# Altium PCB MotionBoard.PcbDoc (part 1 of 3) (continued)
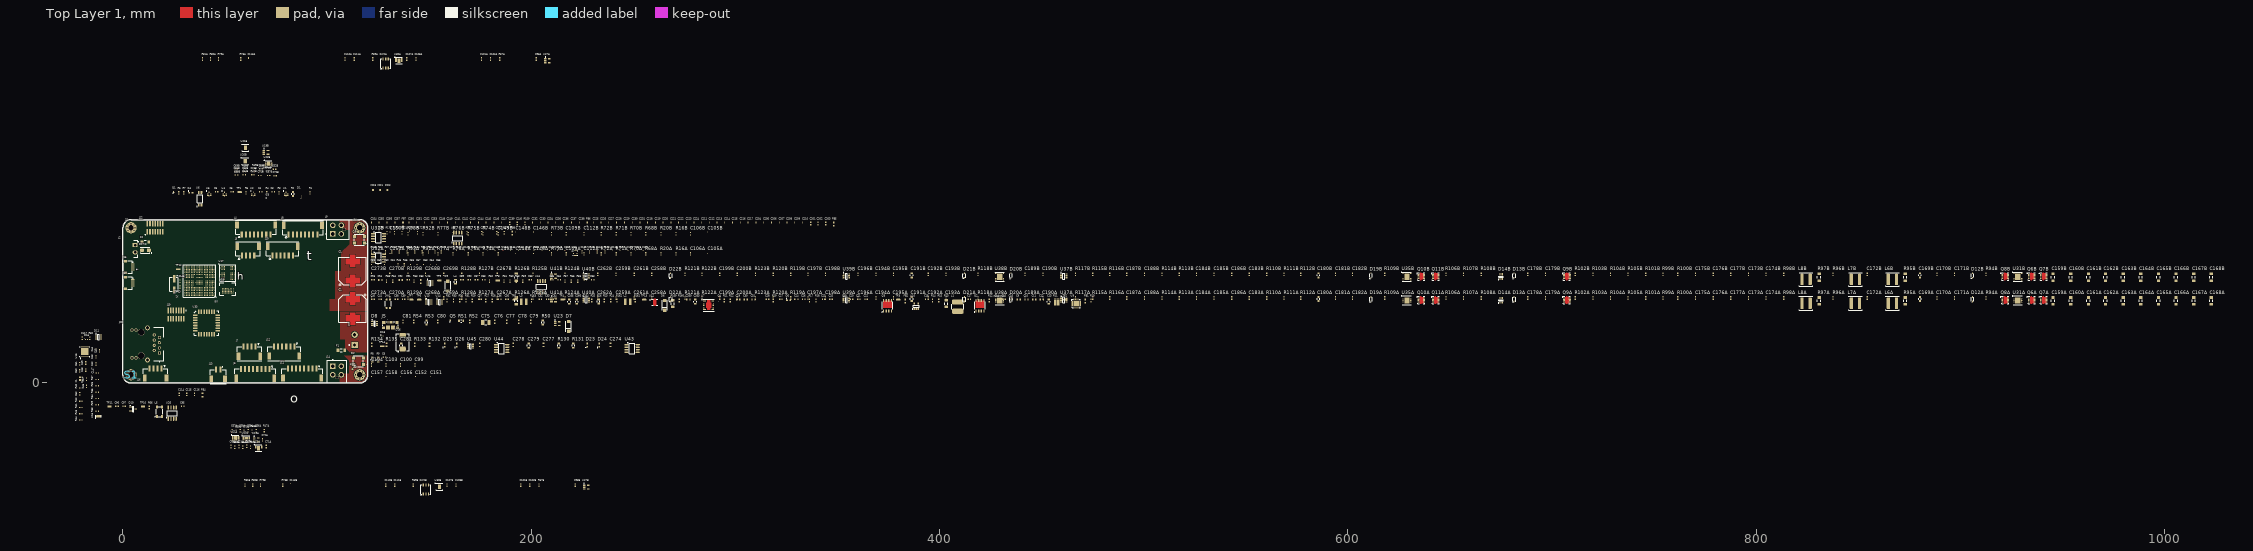
[diagram p0: Top Layer 1 view]
## Components (designator, comment, footprint, x,y, rotation, side; value= is the part's Value field where it differs from the comment) (continued)
C68B "100n" SM/C0402 55.655,101.8 r0 top (schematic designator C68)
C69A "330p" SM/C0402 55.4,-23.716 r90 top (schematic designator C69)
C69B "330p" SM/C0402 55.455,104.7 r0 top (schematic designator C69)
C70A "330p" SM/C0402 59.3,-23.716 r90 top (schematic designator C70)
C70B "330p" SM/C0402 74.543,101.487 r0 top (schematic designator C70)
C71A "100n" SM/C0402 70.2,-31.116 r90 top (schematic designator C71)
C71B "100n" SM/C0402 67.055,101.6 r0 top (schematic designator C71)
C72A "100n" SM/C0402 68.4,-27.9 r90 top (schematic designator C72)
C72B "100n" SM/C0402 67.755,103.7 r0 top (schematic designator C72)
C73A "330p" SM/C0402 52.9,-31.116 r90 top (schematic designator C73)
C73B "330p" SM/C0402 63.771,103.5 r0 top (schematic designator C73)
C74A "330p" SM/C0402 56.8,-31.116 r90 top (schematic designator C74)
C74B "330p" SM/C0402 70.755,103.8 r0 top (schematic designator C74)
C75 "100u" SM/C1210 177.8,29.7 r0 top
C76 "10u" SM/C0603 182.2,30 r90 top
C77 "10u" SM/C0603 188,30 r90 top
C78 "10u" SM/C0603 193.9,30 r90 top
C79 "10u" SM/C0603 199.7,30 r90 top
C80 "100n" SM/C0402 154.2,30.1 r90 top
C81 "100n" SM/C0402 137.2,30.1 r90 top
C82 "220p" SM/C0402 226.5,50.5 r0 top
C83 "4.7n" SM/C0402 230.099,50.5 r0 top
C84 "1n" SM/C0402 213.7,50.5 r0 top
C85 "1u" SM/C0402 210.1,50.5 r0 top
C86 "1n" SM/C0402 199.6,50.5 r0 top
C87 "220p" SM/C0402 173.2,50.5 r0 top
C88 "1n" SM/C0402 176.7,50.5 r0 top
C89 "100n" SM/C0402 166.1,50.5 r0 top
C90 "47n" SM/C0402 169.7,50.5 r0 top
C91 "150p" SM/C0402 139.8,50.5 r0 top
C92 "10u" SM/C0603 136.1,50.4 r0 top
C93 "2.2u" SM/C0402 122.5,50.5 r0 top
C94 "10u" SM/C0603 126.1,50.4 r0 top
C95 "100n" SM/C0402 29.284,-11.4 r0 top
C96 "22p" SM/C0402 -2.916,-11.4 r0 top
C97 "22p" SM/C0402 0.584,-11.4 r0 top
C98A "100n" SM/C0402 202.5,158.684 r90 top (schematic designator C98)
C98B "100n" SM/C0402 221.6,-50.016 r90 top (schematic designator C98)
C99 "10n" SM/C0402 143.1,8.8 r90 top
C100 "10n" SM/C0402 136,8.8 r90 top
C101A "330p" SM/C0402 175.6,158.684 r90 top (schematic designator C101)
C101B "330p" SM/C0402 194.9,-50.016 r90 top (schematic designator C101)
C102A "330p" SM/C0402 180.1,158.684 r90 top (schematic designator C102)
C102B "330p" SM/C0402 199.3,-50.016 r90 top (schematic designator C102)
C103 "10n" SM/C0402 128.9,8.8 r90 top
C104 "100n" SM/C0402 121.8,8.8 r90 top value=10n
C105A "10p" SM/C0201 286.499,63.7 r90 top (schematic designator C105)
C105B "10p" SM/C0201 286.499,73.6 r90 top (schematic designator C105)
C106A "100n" SM/C0402 277.999,63.2 r90 top (schematic designator C106)
C106B "100n" SM/C0402 277.999,73.1 r90 top (schematic designator C106)
C107A "100n" SM/C0402 139,158.684 r90 top (schematic designator C107)
C107B "100n" SM/C0402 158.7,-50.016 r90 top (schematic designator C107)
C108A "100n" SM/C0402 143.5,158.684 r90 top (schematic designator C108)
C108B "100n" SM/C0402 163.2,-50.016 r90 top (schematic designator C108)
C109A "330p" SM/C0402 217.2,63.2 r90 top (schematic designator C109)
C109B "330p" SM/C0402 217.2,73.1 r90 top (schematic designator C109)
C110A "330p" SM/C0402 108.8,158.684 r90 top (schematic designator C110)
C110B "330p" SM/C0402 128.7,-50.016 r90 top (schematic designator C110)
C111A "330p" SM/C0402 113.3,158.684 r90 top (schematic designator C111)
C111B "330p" SM/C0402 133.2,-50.016 r90 top (schematic designator C111)
C112A "330p" SM/C0402 225.9,63.2 r90 top (schematic designator C112)
C112B "330p" SM/C0402 225.9,73.1 r90 top (schematic designator C112)
C113A "10p" SM/C0201 61.5,159.184 r90 top (schematic designator C113)
C113B "10p" SM/C0201 82,-49.516 r90 top (schematic designator C113)
C114 "100n" SM/C0402 27.6,-5.6 r90 top
C115 "2.2u" SM/C0402 31.3,-5.6 r90 top
C116 "2.2u" SM/C0402 35.1,-5.6 r90 top
C117 "100n" SM/C0402 -19.934,21.916 r90 top
C118 "10p" SM/C0201 239.699,64.6 r90 top
C119 "10p" SM/C0201 243.499,64.6 r90 top
C120 "10p" SM/C0201 247.399,64.6 r90 top
C121 "10p" SM/C0201 251.199,64.6 r90 top
C122 "10p" SM/C0201 254.799,64.6 r90 top
C123 "22u" SM/C0402 236.099,64.2 r90 top
C124 "22u" SM/C0402 232.299,64.2 r90 top
C125 "22u" SM/C0402 228.6,64.2 r90 top
C126 "22u" SM/C0402 224.8,64.2 r90 top
C127 "10p" SM/C0201 159.6,64.6 r90 top
C128 "10p" SM/C0201 163.4,64.6 r90 top
C129 "10p" SM/C0201 167.2,64.6 r90 top
C130 "10p" SM/C0201 171,64.6 r90 top
C131 "10p" SM/C0201 174.8,64.6 r90 top
C132 "10p" SM/C0201 178.5,64.6 r90 top
C133 "10p" SM/C0201 182.3,64.6 r90 top
C134 "10p" SM/C0201 186.1,64.6 r90 top
C135 "10p" SM/C0201 189.9,64.6 r90 top
C136 "10p" SM/C0201 193.8,64.6 r90 top
C137 "10p" SM/C0201 197.6,64.6 r90 top
C138 "10p" SM/C0201 201.4,64.6 r90 top
C139 "10p" SM/C0201 205.2,64.6 r90 top
C140 "10p" SM/C0201 209,64.6 r90 top
C141 "10p" SM/C0201 212.8,64.6 r90 top
C142 "10p" SM/C0201 216.5,64.6 r90 top
C143 "100n" SM/C0402 155.9,64.2 r90 top
C144 "22p" SM/C0402 27.9,47 r270 top
C145 "22p" SM/C0402 27.9,49.8 r90 top
C146A "10p" SM/C0201 201.1,63.7 r90 top (schematic designator C146)
C146B "10p" SM/C0201 201.1,73.6 r90 top (schematic designator C146)
C147 "100n" SM/C0402 -12.484,4.9 r180 top
C148A "10p" SM/C0201 192.4,63.7 r90 top (schematic designator C148)
C148B "10p" SM/C0201 192.4,73.6 r90 top (schematic designator C148)
C149A "100n" SM/C0402 183.8,63.2 r90 top (schematic designator C149)
C149B "100n" SM/C0402 183.8,73.1 r90 top (schematic designator C149)
C150A "10p" SM/C0201 130.8,63.7 r90 top (schematic designator C150)
C150B "10p" SM/C0201 130.8,73.6 r90 top (schematic designator C150)
C151 "10p" SM/C0201 150.5,2.9 r90 top
C152 "10p" SM/C0201 143.3,2.9 r90 top
C153 "10n" SM/C0402 3.3,57.9 r90 bottom
C154 "10n" SM/C0402 5.4,50.8 r180 bottom
C155 "10n" SM/C0402 3.3,50.1 r90 bottom
C156 "10p" SM/C0201 136.1,2.9 r90 top
C157 "10p" SM/C0201 121.7,2.9 r90 top
C158 "10p" SM/C0201 128.9,2.9 r90 top
C159A "100n" SM/C1206 945.398,40.2 r90 top (schematic designator C159)
C159B "100n" SM/C1206 945.398,51.8 r90 top (schematic designator C159)
C160A "100n" SM/C1206 953.998,40.2 r90 top (schematic designator C160)
C160B "100n" SM/C1206 953.998,51.8 r90 top (schematic designator C160)
C161A "100n" SM/C1206 962.698,40.2 r90 top (schematic designator C161)
C161B "100n" SM/C1206 962.698,51.8 r90 top (schematic designator C161)
C162A "100n" SM/C1206 971.098,40.2 r90 top (schematic designator C162)
C162B "100n" SM/C1206 971.098,51.8 r90 top (schematic designator C162)
C163A "100n" SM/C1206 979.698,40.2 r90 top (schematic designator C163)
C163B "100n" SM/C1206 979.698,51.8 r90 top (schematic designator C163)
C164A "100n" SM/C1206 988.298,40.2 r90 top (schematic designator C164)
C164B "100n" SM/C1206 988.298,51.8 r90 top (schematic designator C164)
C165A "100n" SM/C1206 996.998,40.2 r90 top (schematic designator C165)
C165B "100n" SM/C1206 996.998,51.8 r90 top (schematic designator C165)
C166A "100n" SM/C1206 1005.598,40.2 r90 top (schematic designator C166)
C166B "100n" SM/C1206 1005.598,51.8 r90 top (schematic designator C166)
C167A "100n" SM/C1206 1014.298,40.2 r90 top (schematic designator C167)
C167B "100n" SM/C1206 1014.298,51.8 r90 top (schematic designator C167)
C168A "100n" SM/C1206 1022.898,40.2 r90 top (schematic designator C168)
C168B "100n" SM/C1206 1022.898,51.8 r90 top (schematic designator C168)
C169A "22u" SM/C0805 880.198,41.1 r90 top (schematic designator C169)
C169B "22u" SM/C0805 880.198,52.7 r90 top (schematic designator C169)
C170A "100n" SM/C0402 888.498,41.6 r90 top (schematic designator C170)
C170B "100n" SM/C0402 888.498,53.2 r90 top (schematic designator C170)
C171A "10n" SM/C0402 897.098,41.6 r90 top (schematic designator C171)
C171B "10n" SM/C0402 897.098,53.2 r90 top (schematic designator C171)
C172A "100n" SM/C0402 854.398,41.6 r90 top (schematic designator C172)
C172B "100n" SM/C0402 854.398,53.2 r90 top (schematic designator C172)
C173A "220p" SM/C0402 796.198,41.6 r90 top (schematic designator C173)
C173B "220p" SM/C0402 796.198,53.2 r90 top (schematic designator C173)
C174A "220p" SM/C0402 804.798,41.6 r90 top (schematic designator C174)
C174B "220p" SM/C0402 804.798,53.2 r90 top (schematic designator C174)
C175A "3.3n" SM/C0402 770.298,41.6 r90 top (schematic designator C175)
C175B "3.3n" SM/C0402 770.298,53.2 r90 top (schematic designator C175)
C176A "3.3n" SM/C0402 778.898,41.6 r90 top (schematic designator C176)
C176B "3.3n" SM/C0402 778.898,53.2 r90 top (schematic designator C176)
C177A "3.3n" SM/C0402 787.498,41.6 r90 top (schematic designator C177)
C177B "3.3n" SM/C0402 787.498,53.2 r90 top (schematic designator C177)
C178A "3.3n" SM/C0402 688.099,41.6 r90 top (schematic designator C178)
C178B "3.3n" SM/C0402 688.099,53.2 r90 top (schematic designator C178)
C179A "3.3n" SM/C0402 696.799,41.6 r90 top (schematic designator C179)
C179B "3.3n" SM/C0402 696.799,53.2 r90 top (schematic designator C179)
C180A "22u" SM/C0805 585.599,41.1 r90 top (schematic designator C180)
C180B "22u" SM/C0805 585.599,52.7 r90 top (schematic designator C180)
C181A "100n" SM/C0402 593.899,41.6 r90 top (schematic designator C181)
C181B "100n" SM/C0402 593.899,53.2 r90 top (schematic designator C181)
C182A "10n" SM/C0402 602.299,41.6 r90 top (schematic designator C182)
C182B "10n" SM/C0402 602.299,53.2 r90 top (schematic designator C182)
C183A "100n" SM/C0402 551.699,41.6 r90 top (schematic designator C183)
C183B "100n" SM/C0402 551.699,53.2 r90 top (schematic designator C183)
C184A "22p" SM/C0402 525.799,41.6 r90 top (schematic designator C184)
C184B "22p" SM/C0402 525.799,53.2 r90 top (schematic designator C184)
C185A "22p" SM/C0402 534.399,41.6 r90 top (schematic designator C185)
C185B "22p" SM/C0402 534.399,53.2 r90 top (schematic designator C185)
C186A "22p" SM/C0402 543.099,41.6 r90 top (schematic designator C186)
C186B "22p" SM/C0402 543.099,53.2 r90 top (schematic designator C186)
C187A "220p" SM/C0402 491.699,41.6 r90 top (schematic designator C187)
C187B "220p" SM/C0402 491.699,53.2 r90 top (schematic designator C187)
C188A "220p" SM/C0402 500.399,41.6 r90 top (schematic designator C188)
C188B "220p" SM/C0402 500.399,53.2 r90 top (schematic designator C188)
C189A "100n" SM/C0402 441.899,41.6 r90 top (schematic designator C189)
C189B "100n" SM/C0402 441.899,53.2 r90 top (schematic designator C189)
C190A "10n" SM/C0402 450.599,41.6 r90 top (schematic designator C190)
C190B "10n" SM/C0402 450.599,53.2 r90 top (schematic designator C190)
C191A "22u" SM/C0805 386.399,41.1 r90 top (schematic designator C191)
C191B "22u" SM/C0805 386.399,52.7 r90 top (schematic designator C191)
C192A "100n" SM/C0402 394.399,41.6 r90 top (schematic designator C192)
C192B "100n" SM/C0402 394.399,53.2 r90 top (schematic designator C192)
C193A "10n" SM/C0402 403.099,41.6 r90 top (schematic designator C193)
C193B "10n" SM/C0402 403.099,53.2 r90 top (schematic designator C193)
C194A "100n" SM/C0402 368.799,41.6 r90 top (schematic designator C194)
C194B "100n" SM/C0402 368.799,53.2 r90 top (schematic designator C194)
C195A "100n" SM/C0402 377.399,41.6 r90 top (schematic designator C195)
C195B "100n" SM/C0402 377.399,53.2 r90 top (schematic designator C195)
C196A "100n" SM/C0402 360.099,41.6 r90 top (schematic designator C196)
C196B "100n" SM/C0402 360.099,53.2 r90 top (schematic designator C196)
C197A "100n" SM/C0402 335.499,41.6 r90 top (schematic designator C197)
C197B "100n" SM/C0402 335.499,53.2 r90 top (schematic designator C197)
C198A "10n" SM/C0402 344.099,41.6 r90 top (schematic designator C198)
C198B "10n" SM/C0402 344.099,53.2 r90 top (schematic designator C198)
C199A "220p" SM/C0402 292.299,41.6 r90 top (schematic designator C199)
C199B "220p" SM/C0402 292.299,53.2 r90 top (schematic designator C199)
C200A "220p" SM/C0402 300.899,41.6 r90 top (schematic designator C200)
C200B "220p" SM/C0402 300.899,53.2 r90 top (schematic designator C200)
C201 "10u" SM/C0402 336.899,78.1 r90 top
C202 "10u" SM/C0402 340.399,78.1 r90 top
C203 "10u" SM/C0402 344.199,78.1 r90 top
C204 "100n" SM/C0201 310.099,78.6 r90 top
C205 "100n" SM/C0201 313.899,78.6 r90 top
C206 "100n" SM/C0201 317.699,78.6 r90 top
C207 "100n" SM/C0201 321.499,78.6 r90 top
C208 "100n" SM/C0201 325.299,78.6 r90 top
C209 "100n" SM/C0201 329.099,78.6 r90 top
C210 "100n" SM/C0201 332.999,78.6 r90 top
C211 "100n" SM/C0201 283.499,78.6 r90 top
C212 "100n" SM/C0201 287.199,78.6 r90 top
C213 "100n" SM/C0201 290.999,78.6 r90 top
C214 "100n" SM/C0201 294.799,78.6 r90 top
C215 "100n" SM/C0201 298.599,78.6 r90 top
C216 "100n" SM/C0201 302.399,78.6 r90 top
C217 "100n" SM/C0201 306.199,78.6 r90 top
C218 "100n" SM/C0201 256.999,78.6 r90 top
C219 "100n" SM/C0201 260.799,78.6 r90 top
C220 "100n" SM/C0201 264.599,78.6 r90 top
C221 "100n" SM/C0201 268.399,78.6 r90 top
C222 "100n" SM/C0201 272.099,78.6 r90 top
C223 "100n" SM/C0201 275.899,78.6 r90 top
C224 "100n" SM/C0201 279.699,78.6 r90 top
C225 "100n" SM/C0201 230.399,78.6 r90 top
C226 "100n" SM/C0201 234.199,78.6 r90 top
C227 "100n" SM/C0201 237.999,78.6 r90 top
C228 "100n" SM/C0201 241.799,78.6 r90 top
C229 "100n" SM/C0201 245.699,78.6 r90 top
C230 "100n" SM/C0201 249.499,78.6 r90 top
C231 "100n" SM/C0201 253.299,78.6 r90 top
C232 "100n" SM/C0201 200.6,78.6 r90 top
C233 "100n" SM/C0201 204.4,78.6 r90 top
C234 "100n" SM/C0201 208.2,78.6 r90 top
C235 "100n" SM/C0201 212,78.6 r90 top
C236 "100n" SM/C0201 215.8,78.6 r90 top
C237 "100n" SM/C0201 219.7,78.6 r90 top
C238 "100n" SM/C0201 223.5,78.6 r90 top
C239 "10u" SM/C0402 189.5,78.1 r90 top
C240 "10u" SM/C0402 193.2,78.1 r90 top
C241 "100n" SM/C0201 162.8,78.6 r90 top
C242 "100n" SM/C0201 166.5,78.6 r90 top
C243 "100n" SM/C0201 170.3,78.6 r90 top
C244 "100n" SM/C0201 174.1,78.6 r90 top
C245 "100n" SM/C0201 177.9,78.6 r90 top
C246 "100n" SM/C0201 181.8,78.6 r90 top
C247 "100n" SM/C0201 185.6,78.6 r90 top
C248 "100n" SM/C0201 155.2,78.6 r90 top
C249 "100n" SM/C0201 159,78.6 r90 top
C250 "2.2u" SM/C0201 140.1,78.6 r90 top
C251 "100n" SM/C0201 143.9,78.6 r90 top
C252 "2.2u" SM/C0201 147.6,78.6 r90 top
C253 "100n" SM/C0201 151.4,78.6 r90 top
C254 "2.2u" SM/C0201 121.7,78.6 r90 top
C255 "2.2u" SM/C0201 125.5,78.6 r90 top
C256 "100n" SM/C0201 129.4,78.6 r90 top
C257 "100n" SM/C0201 133.2,78.6 r90 top
C258A "100n" SM/C0402 258.999,41.6 r90 top (schematic designator C258)
C258B "100n" SM/C0402 258.999,53.2 r90 top (schematic designator C258)
C259A "100n" SM/C0402 241.499,41.6 r90 top (schematic designator C259)
C259B "100n" SM/C0402 241.499,53.2 r90 top (schematic designator C259)
C260 "10u" SM/C0603 276.999,40.9 r0 top
C261A "100n" SM/C0402 250.399,41.6 r90 top (schematic designator C261)
C261B "100n" SM/C0402 250.399,53.2 r90 top (schematic designator C261)
C262A "10n" SM/C0402 232.599,41.6 r90 top (schematic designator C262)
C262B "10n" SM/C0402 232.599,53.2 r90 top (schematic designator C262)
C263 "1u" SM/C0805 280.299,39.8 r90 top
C264 "100n" SM/C0402 225.8,40.4 r90 top
C265 "22u" SM/C0805 218.7,39.8 r90 top
C266 "22u" SM/C0805 222.4,39.8 r90 top
C267A "100n" SM/C0402 183.3,41.6 r90 top (schematic designator C267)
C267B "100n" SM/C0402 183.3,53.2 r90 top (schematic designator C267)
C268A "100n" SM/C0402 148.2,41.6 r90 top (schematic designator C268)
C268B "100n" SM/C0402 148.2,53.2 r90 top (schematic designator C268)
C269A "100n" SM/C0402 157.1,41.6 r90 top (schematic designator C269)
C269B "100n" SM/C0402 157.1,53.2 r90 top (schematic designator C269)
C270A "100n" SM/C0402 130.7,41.6 r90 top (schematic designator C270)
C270B "100n" SM/C0402 130.7,53.2 r90 top (schematic designator C270)
C271 "10u" SM/C0402 175.8,73.6 r90 top
C272 "100n" SM/C0402 183.1,73.6 r90 top
C273A "100n" SM/C0402 121.8,41.6 r90 top (schematic designator C273)
C273B "100n" SM/C0402 121.8,53.2 r90 top (schematic designator C273)
C274 "100n" SM/C0603 238.799,18.7 r90 top
C275 "10p" SM/C0201 140.4,74.1 r90 top
C276 "10p" SM/C0201 125.4,74.1 r90 top
C277 "100n" SM/C0603 206,18.7 r90 top
C278 "100n" SM/C0603 191.2,18.7 r90 top
C279 "10u" SM/C0805 198.8,18.3 r90 top
C280 "100n" SM/C0603 174.8,18.7 r90 top
C281 "10u" SM/C0805 136.3,18.3 r90 top
D1 "ESD9X3.3ST5G" SODFL100X40-2N 87.6,91.184 r90 top
D2 "SK6812MINI" LED_SK6812 115.316,10.668 r180 top locked
D3 "SK6812MINI" LED_SK6812 115.824,70.104 r180 top locked
D4 "SM0603UYC" SM/LED0603 33.3,93.184 r0 top
D5 "150060SS75000" SM/LED0603 326.099,40.5 r0 top
D6 "CDBA3100-HF" DO214AC 265.399,38 r90 top
D7 "CDBA3100-HF" DO214AC 218.3,27.7 r90 top
D8 "PRTR5V0U4D,125" SOT23-6 123.3,29.2 r0 top
D9 "CDBA3100-HF" DO214AC 159.2,47.4 r90 top
D10 "NUP2105LTG" SOT23-3 5.084,-12.8 r0 top
D11 "PRTR5V0U4D,125" SOT23-6 -12,22.5 r0 top
D12A "BZX384-C15,115" SODFL250X110-2N 905.898,41 r90 top (schematic designator D12)
D12B "BZX384-C15,115" SODFL250X110-2N 905.898,52.6 r90 top (schematic designator D12)
D13A "BZX384-C15,115" SODFL250X110-2N 681.399,41 r90 top (schematic designator D13)
D13B "BZX384-C15,115" SODFL250X110-2N 681.399,52.6 r90 top (schematic designator D13)
D14A "SD103ATW-7-F" SC70-6 675.099,40.5 r90 top (schematic designator D14)
D14B "SD103ATW-7-F" SC70-6 675.099,52.1 r90 top (schematic designator D14)
D15 "ESD9X3.3ST5G" SODFL100X40-2N -17.934,21.332 r0 top
D16 "SMC5K48A-M3/I" DIOM8059X26N 137,20 r90 top
D17 "SMAJ5.0A-E3/61" DIOM4226X23N 11,65 r180 top
D18 "ESD9X3.3ST5G" SODFL100X40-2N 127,23 r0 top
D19A "BZX384-C15,115" SODFL250X110-2N 611.299,41 r90 top (schematic designator D19)
D19B "BZX384-C15,115" SODFL250X110-2N 611.299,52.6 r90 top (schematic designator D19)
D20A "BZX384-C15,115" SODFL250X110-2N 434.999,41 r90 top (schematic designator D20)
D20B "BZX384-C15,115" SODFL250X110-2N 434.999,52.6 r90 top (schematic designator D20)
D21A "BZX384-C15,115" SODFL250X110-2N 412.099,41 r90 top (schematic designator D21)
D21B "BZX384-C15,115" SODFL250X110-2N 412.099,52.6 r90 top (schematic designator D21)
D22A "BZX384-C15,115" SODFL250X110-2N 268.299,41 r90 top (schematic designator D22)
D22B "BZX384-C15,115" SODFL250X110-2N 268.299,52.6 r90 top (schematic designator D22)
D23 "RX" SM/LED0603 227.5,18.5 r90 top
D24 "TX" SM/LED0603 233.299,18.5 r90 top
D25 "ACTIVITY" SM/LED0603 157.6,18.5 r90 top
D26 "POWER" SM/LED0603 163.5,18.5 r90 top
F1 "0458010.DR" SM/R1206 107,16 r180 top value=10A
F2 "0458003.DR" SM/R1206 11,69 r0 top value=3A
FB1 "BLM18KG331SN1D" SM/L0603 471.399,40.1 r90 top value="330Ω @ 100 MHz"
FB2 "BLM18KG331SN1D" SM/L0603 383.099,40.1 r90 top value="330Ω @ 100 MHz"
FB3 "MI0603L301R-10" SM/L0603 145.9,49.6 r90 top value="300 Ohms @ 100 MHz"
FB4 "BLM18KG331SN1D" SM/L0603 39,-5.9 r90 top value="330Ω @ 100 MHz"
FB5 "BLM18KG331SN1D" SM/L0603 348.099,77.8 r90 top value="330Ω @ 100 MHz"
FB6 "BLM18KG331SN1D" SM/L0603 227.5,77.8 r90 top value="330Ω @ 100 MHz"
FB7 "BLM18KG331SN1D" SM/L0603 137.2,77.8 r90 top value="330Ω @ 100 MHz"
FB8 "BLM18KG331SN1D" SM/L0603 190.7,73.4 r90 top value="330Ω @ 100 MHz"
FID1 "Fiducial 1.5 mm" FIDUCIAL 126,94.5 r0 top
FID2 "Fiducial 1.5 mm" FIDUCIAL 129.5,94.5 r0 top
FID3 "Fiducial 1.5 mm" FIDUCIAL 122.5,94.5 r0 top
FID4 "Fiducial 1.5 mm" FIDUCIAL 112.5,6.75 r90 top locked
J1 "1241060000" "CONN 2POS WEIDMULLER 5.08MM" 113.538,18.542 r90 top locked
J2 "MC 1.5-2-G-3.5" "CONN2/PHOENIX/MC 1.5-2-G-3.5" 6,67.5 r270 top locked
J3 "502443-0470" MOLEX/5024430470/CLIK-MATE/2MM 61.337,65.398 r0 top locked
J4 "502443-0870" MOLEX/5024430870/CLIK-MATE/2MM 65.2,75.8 r0 top locked
J5 "1981568-1" TE/1981568-1/USB 131,27.1 r0 top
J6 "502443-0870" MOLEX/5024430870/CLIK-MATE/2MM 64.8,3.85 r180 top locked
J7 "502443-0470" MOLEX/5024430470/CLIK-MATE/2MM 61.995,14.75 r180 top locked
J8 "502443-0870" MOLEX/5024430870/CLIK-MATE/2MM 88.2,75.7 r0 top locked
J9 "2125201004" MOLEX/2125201004 102.8,73 r270 top
J10 "502443-0670" MOLEX/5024430670/CLIK-MATE/2MM 78.237,65.398 r0 top locked
J11 "502443-0870" MOLEX/5024430870/CLIK-MATE/2MM 87.8,4 r180 top locked
J12 "502443-0670" MOLEX/5024430670/CLIK-MATE/2MM 78.995,14.8 r180 top locked
J13 "502443-0270" MOLEX/5024430270/CLIK-MATE/2MM 46.689,3.937 r180 top locked
J14 "2125201004" MOLEX/2125201004 102.8,8.2 r180 top
J15 "SM04B" QWIIC-SM04B-SRSS-TB 4.8,56.8 r270 top locked
J16 "502443-0470" MOLEX/5024430470/CLIK-MATE/2MM 16,4 r180 top locked
J17 "SM04B" QWIIC-SM04B-SRSS-TB 4.8,49 r270 top locked
J18 "687150149022" 687150149022 38.75,73 r0 bottom locked
J19 "GRPB072VWQS-RC" FTSH-107-04-LM-DV 26.04,33.5 r0 top locked
J20 "ARJM11D7-009-AB-EW2" ARJM11D7-009-AB-EW2 9,19.1 r270 top locked
J21 "5033981892" MOLEX_503398-1892 7.625,37.82 r270 bottom locked
J22 "ESHF-107-01-L-D-SM" SAMTEC_SHF-107-01-L-D-SM 15.81,76.032 r180 top locked
L1 "1255AY-4R7M=P3" IND_1255AY-4R7M=P3 408.899,37.4 r90 top value=3.5u
L2 "2.2u" SM/L/SRN3010TA 247.199,39.8 r0 top
L3 "3.3u" SM/L/SRN3010TA 196.4,39.7 r0 top
L4 "10u" SM/L0805 162.9,49.5 r90 top
L5 "B82787C0513H002" ACT45B 17.884,-14.1 r90 top
L6A "1u" PA5005.102NLT 866.698,39.1 r0 top (schematic designator L6)
L6B "1u" PA5005.102NLT 866.698,50.7 r0 top (schematic designator L6)
L7A "1u" PA5005.102NLT 848.598,39.1 r0 top (schematic designator L7)
L7B "1u" PA5005.102NLT 848.598,50.7 r0 top (schematic designator L7)
L8A "1u" PA5005.102NLT 824.398,39.1 r0 top (schematic designator L8)
L8B "1u" PA5005.102NLT 824.398,50.7 r0 top (schematic designator L8)
Q1 "NX7002BKHH" SOT8001/DFN0606-3 24.8,93.584 r0 top value=2N7002
Q2 "TSM220NB06LCR RLG" TRANS_TSM220NB06LCR_RLG 419.799,37.9 r90 top
Q3 "TSM220NB06LCR RLG" TRANS_TSM220NB06LCR_RLG 374.499,37.9 r90 top
Q4 "NX7002BKHH" SOT8001/DFN0606-3 291.899,40.8 r0 top value=2N7002
Q5 "NX7002BKHH" SOT8001/DFN0606-3 160.3,30.6 r0 top value=2N7002
Q6A "RQ3P300BHTB1" RQ3P300BHTB1 934.898,40.6 r0 top (schematic designator Q6)
Q6B "RQ3P300BHTB1" RQ3P300BHTB1 934.898,52.2 r0 top (schematic designator Q6)
Q7A "RQ3P300BHTB1" RQ3P300BHTB1 940.798,40.6 r0 top (schematic designator Q7)
Q7B "RQ3P300BHTB1" RQ3P300BHTB1 940.798,52.2 r0 top (schematic designator Q7)
Q8A "RQ3P300BHTB1" RQ3P300BHTB1 921.898,40.6 r0 top (schematic designator Q8)
Q8B "RQ3P300BHTB1" RQ3P300BHTB1 921.898,52.2 r0 top (schematic designator Q8)
Q9A "RQ3P300BHTB1" RQ3P300BHTB1 707.299,40.6 r0 top (schematic designator Q9)
Q9B "RQ3P300BHTB1" RQ3P300BHTB1 707.299,52.2 r0 top (schematic designator Q9)
Q10A "RQ3P300BHTB1" RQ3P300BHTB1 635.999,40.6 r0 top (schematic designator Q10)
Q10B "RQ3P300BHTB1" RQ3P300BHTB1 635.999,52.2 r0 top (schematic designator Q10)
Q11A "RQ3P300BHTB1" RQ3P300BHTB1 643.099,40.6 r0 top (schematic designator Q11)
Q11B "RQ3P300BHTB1" RQ3P300BHTB1 643.099,52.2 r0 top (schematic designator Q11)
R1 "4.7k" SM/R0402 91.7,93.084 r90 top
R2 "100k" SM/R0805 83.3,92.584 r90 top
R3 "2.2k" SM/R0402 76.4,93.084 r90 top
R4 "2.2k" SM/R0402 70.4,93.084 r90 top
R5 "2.2k" SM/R0402 60.3,93.084 r90 top
R6 "120" SM/R0402 27.3,93.084 r90 top
R7 "470" SM/R0402 29.8,93.084 r90 top
R8 "100k" SM/R0805 122.1,11.4 r90 top
R9 "100k" SM/R0805 125,11.4 r90 top
R10 "200k" SM/R0402 474.199,40.4 r90 top
R11 "5m" SM/C0612 457.399,39.6 r0 top
R12 "28k" SM/R0402 424.299,40.4 r90 top
R13 "0" SM/R1206 403.299,38.9 r90 top
R14 "1k" SM/R0402 396.499,40.4 r90 top
R15 "140k" SM/R0402 399.599,40.4 r90 top
R16A "20k" SM/R0402 270.899,63.2 r90 top (schematic designator R16)
R16B "20k" SM/R0402 270.899,73.1 r90 top (schematic designator R16)
R17 "75k" SM/R0402 336.299,40.4 r90 top
R18 "20k" SM/R0402 339.499,40.4 r90 top
R19 "15k" SM/R0402 318.499,40.4 r90 top
R20A "10k" SM/R0402 263.499,63.2 r90 top (schematic designator R20)
R20B "10k" SM/R0402 263.499,73.1 r90 top (schematic designator R20)
R21 "5k" SM/R0402 294.499,40.4 r90 top
R22 "560" SM/R0402 297.499,40.4 r90 top
R23 "470" SM/R0402 235.799,40.4 r90 top
R24 "0" SM/R0402 238.899,40.4 r90 top
R25 "10k" SM/R0402 229.6,40.4 r90 top
R26 "100k" SM/R0805 232.999,39.9 r90 top
R27 "205k" SM/R0402 177.7,40.4 r90 top
R28 "340k" SM/R0402 180.9,40.4 r90 top
R29 "2k" SM/R0402 171.1,40.4 r90 top
R30 "200k" SM/R0402 165,40.4 r90 top
R31 "75k" SM/R0402 168.1,40.4 r90 top
R32 "2.2k" SM/R0402 158.8,40.4 r90 top
R33 "2.2k" SM/R0402 161.9,40.4 r90 top
R34 "49.9" SM/R0402 -12.584,-7.6 r180 top
R35 "49.9" SM/R0402 -12.584,-4.5 r180 top
R36 "49.9" SM/R0402 -12.584,-1.4 r180 top
R37 "49.9" SM/R0402 -12.584,1.7 r180 top
R38 "470" SM/R0402 -12.584,-13.8 r180 top
R39 "470" SM/R0402 -12.584,-10.7 r180 top
R40 "0" SM/R0402 -20.584,-2.4 r180 top
R41 "2.2k" SM/R0402 -20.584,-12 r180 top
R42 "2.2k" SM/R0402 -20.584,-9 r180 top
R43 "4.7k" SM/R0402 -20.584,-15.1 r180 top
R44 "2.2k" SM/R0402 -20.584,-18.2 r180 top
R45 "47k" SM/R0402 137.8,57.8 r90 top
R46 "47k" SM/R0402 134.7,57.8 r90 top
R47A "120" SM/R0402 69.2,-23.316 r90 top (schematic designator R47)
R47B "120" SM/R0402 63.655,102 r0 top (schematic designator R47)
R48A "120" SM/R0402 63.2,-23.616 r90 top (schematic designator R48)
R48B "120" SM/R0402 59.655,104.7 r0 top (schematic designator R48)
R49A "120" SM/R0402 60.7,-31.016 r90 top (schematic designator R49)
R49B "120" SM/R0402 64.355,104.9 r0 top (schematic designator R49)
R50 "100k" SM/R0805 205.7,29.6 r90 top
R51 "100k" SM/R0805 165.7,30.4 r0 top
R52 "10k" SM/R0402 169.9,30.1 r90 top
R53 "100k" SM/R0805 148.7,29.6 r90 top
R54 "10k" SM/R0402 142.5,30.1 r90 top
R55 "10k" SM/R0402 219.6,49.9 r90 top
R56 "5k" SM/R0402 222.8,49.9 r90 top
R57 "75k" SM/R0402 216.5,49.9 r90 top
R58 "3.3k" SM/R0402 192.7,49.9 r90 top
R59 "3.3k" SM/R0402 195.8,49.9 r90 top
R60 "10k" SM/R0402 189.6,49.9 r90 top
R61 "49.9" SM/R0402 186.6,49.9 r90 top
R62 "75k" SM/R0402 179.6,49.9 r90 top
R63 "162k" SM/R0402 142.6,49.9 r90 top
R64 "13.3k" SM/R0402 132.2,49.9 r90 top
R65 "47k" SM/R0402 129.1,49.9 r90 top
R66 "120" SM/R0402 12.884,-12 r90 top
R67A "120" SM/R0402 184.6,158.684 r90 top (schematic designator R67)
R67B "120" SM/R0402 203.8,-50.016 r90 top (schematic designator R67)
R68A "35.7" SM/R0402 256.099,63.2 r90 top (schematic designator R68)
R68B "35.7" SM/R0402 256.099,73.1 r90 top (schematic designator R68)
R69A "120" SM/R0402 122.4,158.684 r90 top (schematic designator R69)
R69B "120" SM/R0402 142.2,-50.016 r90 top (schematic designator R69)
R70A "120" SM/R0402 248.799,63.2 r90 top (schematic designator R70)
R70B "120" SM/R0402 248.799,73.1 r90 top (schematic designator R70)
R71A "10k" SM/R0402 241.599,63.2 r90 top (schematic designator R71)
R71B "10k" SM/R0402 241.599,73.1 r90 top (schematic designator R71)
R72A "35.7" SM/R0402 234.299,63.2 r90 top (schematic designator R72)
R72B "35.7" SM/R0402 234.299,73.1 r90 top (schematic designator R72)
R73A "20k" SM/R0402 209.9,63.2 r90 top (schematic designator R73)
R73B "20k" SM/R0402 209.9,73.1 r90 top (schematic designator R73)
R74A "20k" SM/R0402 176.4,63.2 r90 top (schematic designator R74)
R74B "20k" SM/R0402 176.4,73.1 r90 top (schematic designator R74)
R75A "10k" SM/R0402 169.1,63.2 r90 top (schematic designator R75)
R75B "10k" SM/R0402 169.1,73.1 r90 top (schematic designator R75)
R76A "35.7" SM/R0402 161.7,63.2 r90 top (schematic designator R76)
R76B "35.7" SM/R0402 161.7,73.1 r90 top (schematic designator R76)
R77A "10k" SM/R0402 154.3,63.2 r90 top (schematic designator R77)
R77B "10k" SM/R0402 154.3,73.1 r90 top (schematic designator R77)
R78A "20k" SM/R0402 57.7,158.684 r90 top (schematic designator R78)
R78B "20k" SM/R0402 78.3,-50.016 r90 top (schematic designator R78)
R79A "10k" SM/R0402 46.8,158.684 r90 top (schematic designator R79)
R79B "10k" SM/R0402 67.4,-50.016 r90 top (schematic designator R79)
R80A "10k" SM/R0402 42.9,158.684 r90 top (schematic designator R80)
R80B "10k" SM/R0402 63.6,-50.016 r90 top (schematic designator R80)
R81A "20k" SM/R0402 39,158.684 r90 top (schematic designator R81)
R81B "20k" SM/R0402 59.8,-50.016 r90 top (schematic designator R81)
R82 "20k" SM/R0402 -16.234,21.916 r90 top
R83 "4.7k" SM/R0402 152.8,64.2 r90 top
R84 "4.7k" SM/R0402 149.7,64.2 r90 top
R85 "4.7k" SM/R0402 146.6,64.2 r90 top
R86 "4.7k" SM/R0402 125.5,64.2 r90 top
R87 "4.7k" SM/R0402 128.6,64.2 r90 top
R88 "100" SM/R0402 14.5,75.1 r90 bottom
R89 "4.7k" SM/R0402 20.2,78.9 r180 bottom
R90 "4.7k" SM/R0402 19.62,73.3 r90 bottom
R91 "4.7k" SM/R0402 26.1,55.7 r180 bottom
R92A "35.7" SM/R0402 147,63.2 r90 top (schematic designator R92)
R92B "35.7" SM/R0402 147,73.1 r90 top (schematic designator R92)
R93A "20k" SM/R0402 139.6,63.2 r90 top (schematic designator R93)
R93B "20k" SM/R0402 139.6,73.1 r90 top (schematic designator R93)
R94A "5.6" SM/R0402 912.598,41.6 r90 top (schematic designator R94)
R94B "5.6" SM/R0402 912.598,53.2 r90 top (schematic designator R94)
R95A "2m" SM/R1206 872.998,40.2 r90 top (schematic designator R95)
R95B "2m" SM/R1206 872.998,51.8 r90 top (schematic designator R95)
R96A "120" SM/R0402 837.598,41.6 r90 top (schematic designator R96)
R96B "120" SM/R0402 837.598,53.2 r90 top (schematic designator R96)
R97A "2m" SM/R1206 830.798,40.2 r90 top (schematic designator R97)
R97B "2m" SM/R1206 830.798,51.8 r90 top (schematic designator R97)
R98A "120" SM/R0402 813.498,41.6 r90 top (schematic designator R98)
R98B "120" SM/R0402 813.498,53.2 r90 top (schematic designator R98)
R99A "10k" SM/R0402 754.298,41.6 r90 top (schematic designator R99)
R99B "10k" SM/R0402 754.298,53.2 r90 top (schematic designator R99)
R100A "10k" SM/R0402 761.598,41.6 r90 top (schematic designator R100)
R100B "10k" SM/R0402 761.598,53.2 r90 top (schematic designator R100)
R101A "5.6" SM/R0402 745.898,41.6 r90 top (schematic designator R101)
R101B "5.6" SM/R0402 745.898,53.2 r90 top (schematic designator R101)
R102A "100" SM/R0402 711.299,41.6 r90 top (schematic designator R102)
R102B "100" SM/R0402 711.299,53.2 r90 top (schematic designator R102)
R103A "100" SM/R0402 719.999,41.6 r90 top (schematic designator R103)
R103B "100" SM/R0402 719.999,53.2 r90 top (schematic designator R103)
R104A "100" SM/R0402 728.599,41.6 r90 top (schematic designator R104)
R104B "100" SM/R0402 728.599,53.2 r90 top (schematic designator R104)
R105A "100" SM/R0402 737.198,41.6 r90 top (schematic designator R105)
R105B "100" SM/R0402 737.198,53.2 r90 top (schematic designator R105)
R106A "300k" SM/R0402 647.999,41.6 r90 top (schematic designator R106)
R106B "300k" SM/R0402 647.999,53.2 r90 top (schematic designator R106)
R107A "300k" SM/R0402 656.599,41.6 r90 top (schematic designator R107)
R107B "300k" SM/R0402 656.599,53.2 r90 top (schematic designator R107)
R108A "300k" SM/R0402 665.299,41.6 r90 top (schematic designator R108)
R108B "300k" SM/R0402 665.299,53.2 r90 top (schematic designator R108)
R109A "5.6" SM/R0402 617.999,41.6 r90 top (schematic designator R109)